# Altium PCB EVK-IRIS-W1.PcbDoc (part 6 of 9) (continued)
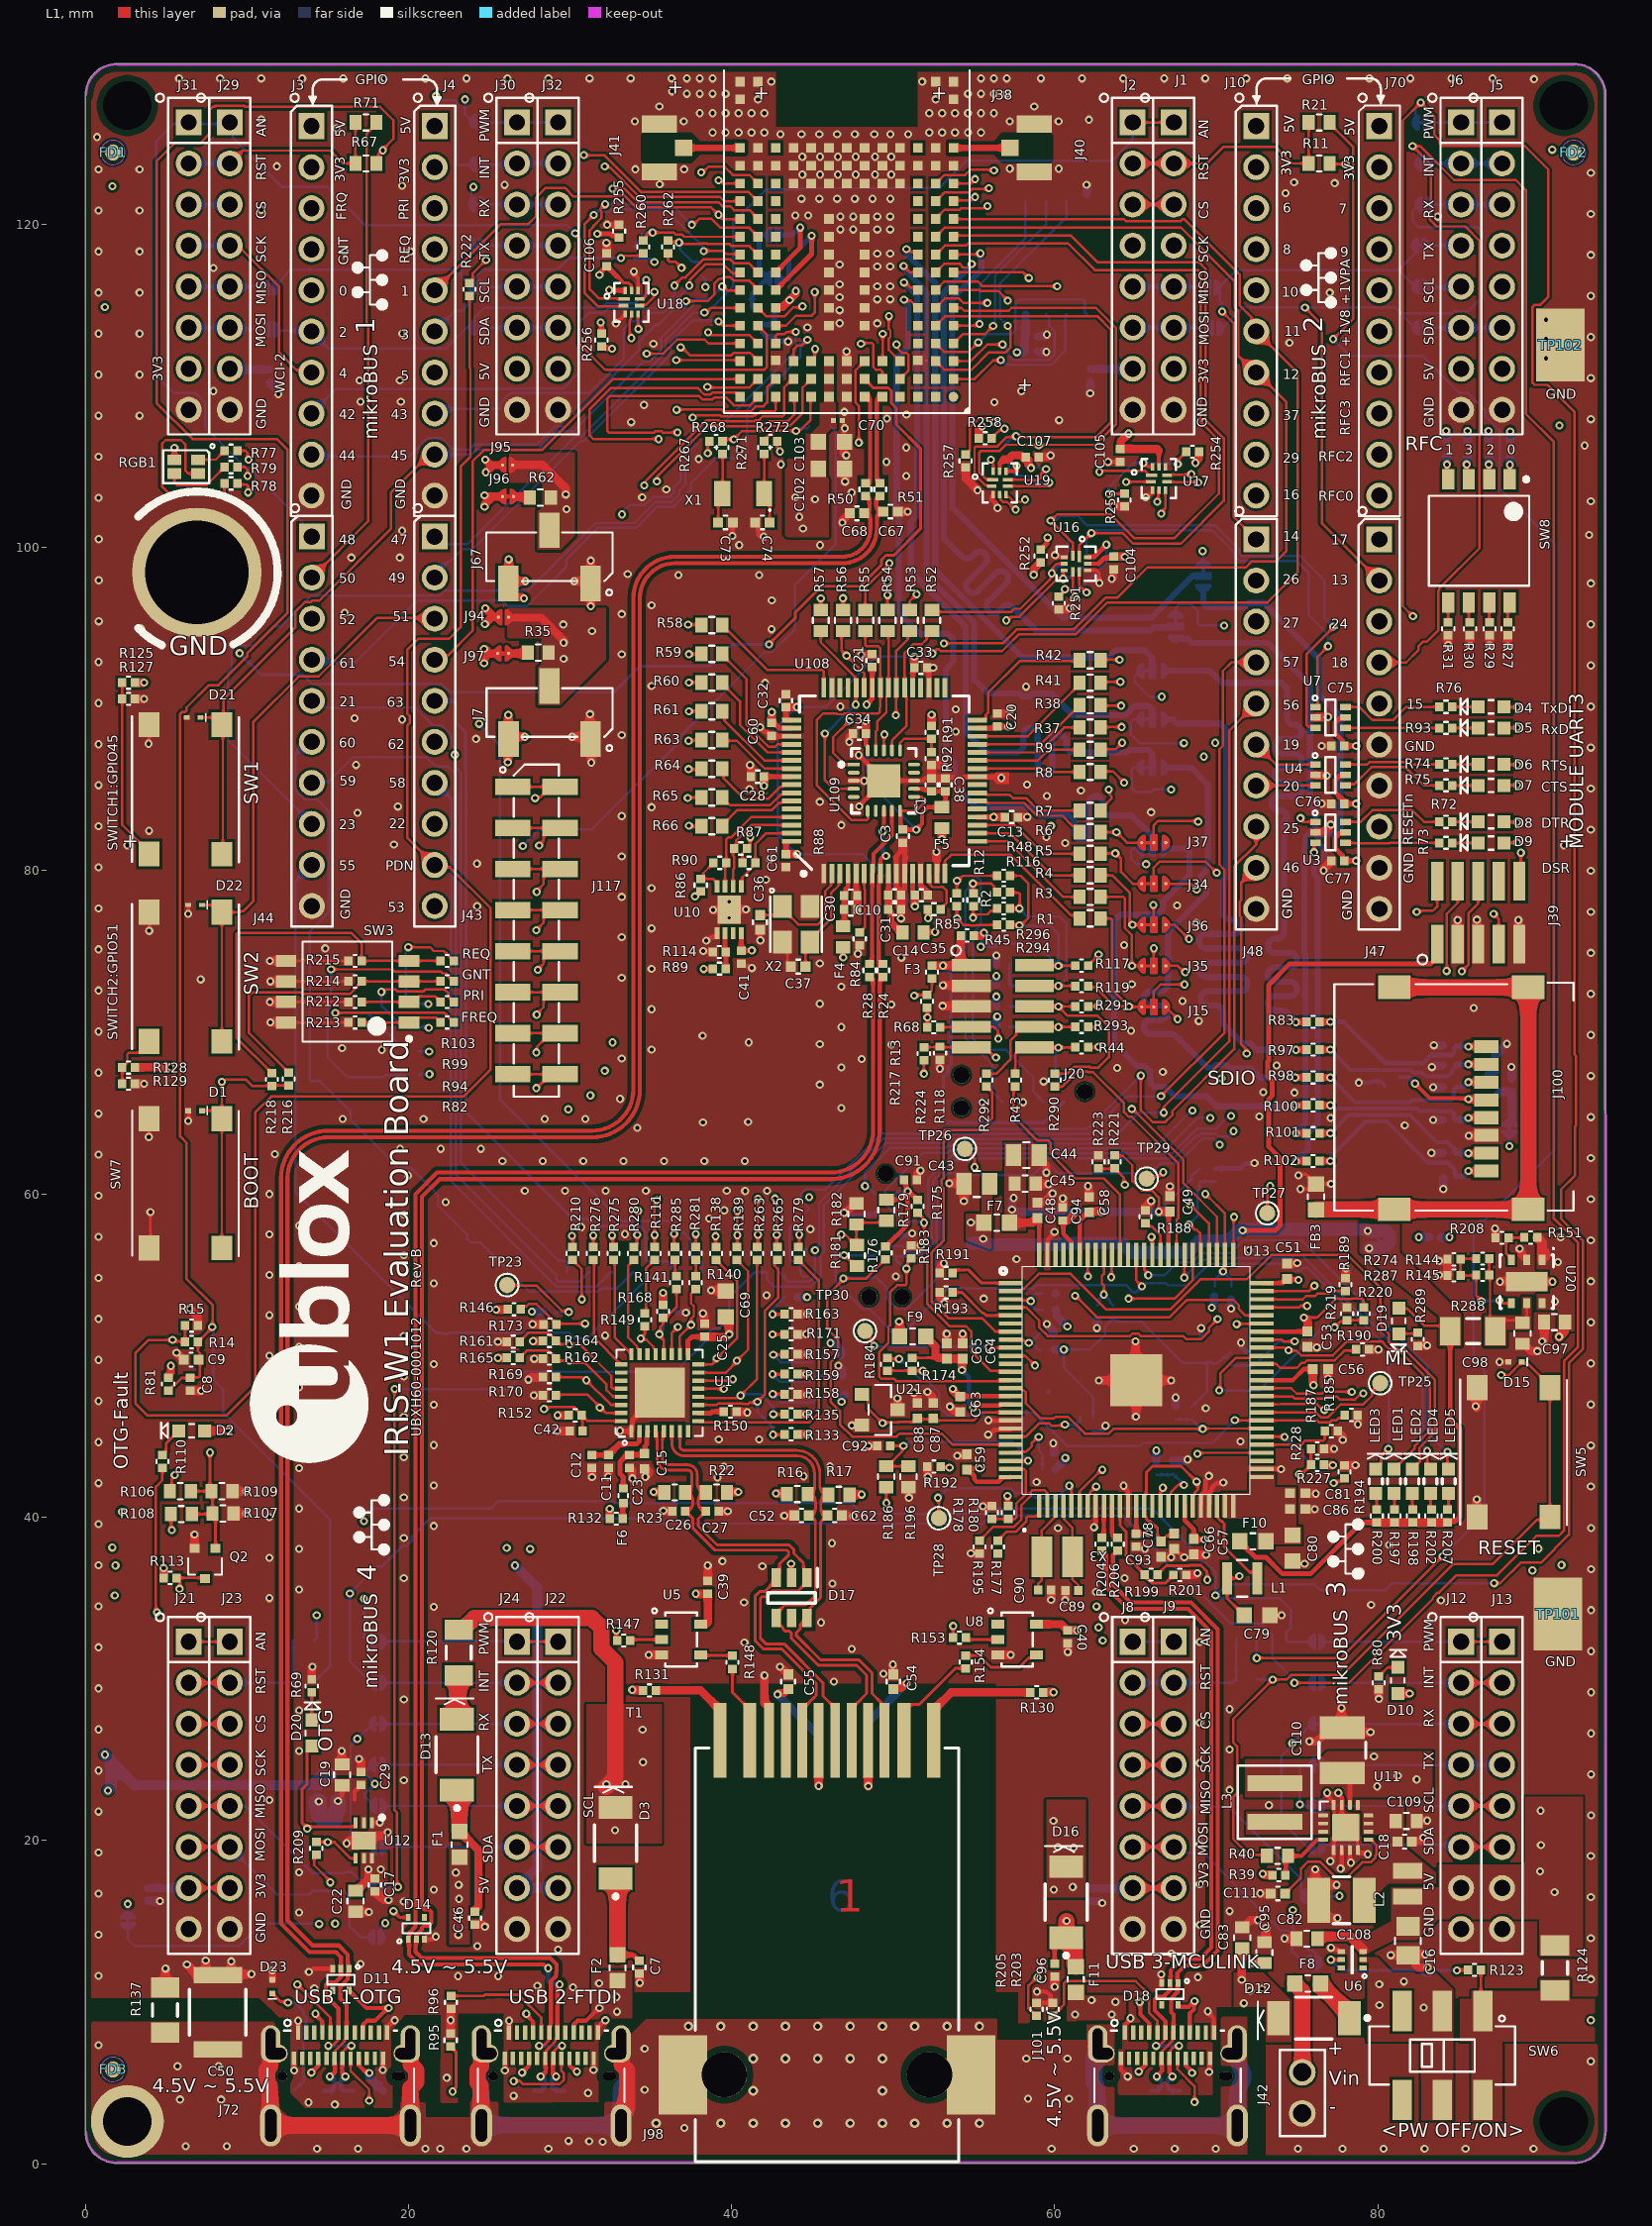
[diagram p0: L1 view]
## Nets (pads, with @x,y where several pads share a name; then routed paths per layer and width w, separated by ;. In a path a pad name is that pad's centre, name@x,y a point inside that pad or via, vN(x,y) a via of type N, cw(c..) or ccw(c..) an arc to the next point about the centre after c; other vN are vias at no path point) (continued)
GPIO20_U3-CTS-CS: J48.7 J59.1 R54.2 U4.3 | length 46.7
  L1 w0.15: R54.2@49.652,96.118 v1(49.652,97.047) ; J48.7@72.465,85.249 72.475,85.259 76.126,85.259 U4.3@76.136,85.268
  L3 w0.15: v1(69.147,99.772) 69.185,99.734 69.185,87.085 v1(69.223,87.047)
  L4 w0.15: v1(49.652,97.047) 49.72,96.978 49.892,96.978 49.918,96.952 50.622,96.952 53.039,94.535 53.334,94.535 53.9,93.969 53.9,93.674 53.9,93.394 56.697,90.597 58.237,90.597 61.2,87.635 61.641,87.635 61.768,87.635 61.907,87.635 62.008,87.534 62.147,87.534 62.551,87.13 67.917,87.13 68.322,87.534 68.736,87.534 v1(69.223,87.047) ; v1@69.223,87.014 70.373,87.014 71.402,85.985 71.876,85.985 72.465,85.396 J48.7@72.465,85.249
  L6 w0.15: v1(49.652,97.047) v1@49.748,97.047 ; v1@69.086,99.695 69.188,99.593 J59.1@69.188,98.972
GPIO20_U3-CTS-CS_SDIO-D1: J38.A9 J59.2 | length 37.6
  L1 w0.15: J38.A9@53.731,118.112 55.225,118.112 55.299,118.186 v1(55.396,118.186)
  L6 w0.378: v1(55.396,118.186) 55.421,118.161 55.421,117.806 55.455,117.771 55.455,117.154 53.658,115.356 53.658,102.499 60.519,95.639 65.955,95.639 68.57,98.254 69.188,98.254 J59.2@69.188,98.222
GPIO21: J38.M2 R210.2 R270.2 | length 76.3
  L1 w0.152: v1(30.121,57.395) 30.121,57.299 30.203,57.217 30.203,56.986 R210.2@30.136,56.92 ; v1(38.505,109.931) 38.556,109.88 41.099,109.88 J38.M2@41.631,110.412
  L3 w0.152: v1(38.505,109.931) 40.504,107.932 41.666,107.932 44.22,105.378 44.22,103.498 44.421,103.298 44.421,102.842 43.714,102.136 43.714,101.198 43.943,100.969 43.943,96.203 44.527,95.618 44.527,60.068 v1(44.804,59.792)
  L4 w0.152: v1(30.121,57.395) 31.188,56.329 34.991,56.329 35.965,57.303 35.965,57.721 36.246,58.003 36.665,58.003 38.175,59.512 40.823,59.512 41.134,59.201 42.867,59.201 43.174,59.508 43.174,59.702 43.263,59.792 v1(44.804,59.792)
  L6 w0.152: R270.2@29.757,56.541 R270.2@29.843,56.454 30.121,56.731 v1(30.121,57.395)
GPIO21_U0-SPI-HD: J44.5 R42.2 R270.1 | length 105.7
  L1 w0.15: R42.2@62.834,93.014 62.866,93.046 v1(64.008,93.046)
  L3 w0.15: v1(59.765,82.753) 60.171,83.16 60.171,89.865 63.27,92.964 63.742,92.964 63.755,92.978 63.94,92.978 v1(64.008,93.046)
  L4 w0.15: v1(22.876,87.164) 25.089,87.164 29.283,91.358 32.963,91.358 36.832,95.227 36.832,95.414 37.113,95.695 37.3,95.695 37.414,95.809 43.966,95.809 46.635,93.14 46.635,93.098 49.643,90.089 50.368,90.089 50.649,89.809 50.649,89.652 55.051,85.25 56.963,85.25 58.418,83.795 58.496,83.795 59.469,82.822 59.696,82.822 v1(59.765,82.753)
  L6 w0.15: J44.5@14.025,90.503 14.418,90.503 14.827,90.094 20.395,90.094 21.5,88.988 22.05,88.988 22.65,88.388 22.65,87.838 22.895,87.593 22.895,86.417 23.25,86.062 23.25,77.13 23.23,77.109 23.23,61.924 29.3,55.854 29.756,55.854 29.843,55.766 R270.1@29.843,55.154
GPIO22: J43.8 R273.1 | length 42.3
  L4 w0.15: J43.8@21.625,82.883 22.99,81.519 v2(27.08,81.519)
  L6 w0.15: v2@27.1,81.534 28.116,82.55 31.367,82.55 36.858,88.04 36.858,88.345 42.03,93.518 42.513,93.518 43.917,94.922 43.917,97.676 46.431,100.19 46.431,101.277 46.382,101.325 46.382,101.722 46.431,101.771 46.431,107.03 46.414,107.047 46.414,107.193 R273.1@46.114,107.493
GPIO22/RMII-RxD0/XTAL32K_IN: J38.J1 R271.2 R272.2 R273.2 | length 5.9
  L1 w0.15: R271.2@42.014,106.57 42.029,106.57 42.214,106.755 42.214,106.823 42.596,107.205 v1(43.989,107.205) 44.058,107.273 44.286,107.273 44.886,107.873 44.886,109.267 J38.J1@44.931,109.312
  L6 w0.15: v1(43.989,107.205) 44.086,107.205 44.248,107.367 44.688,107.367 R273.2@44.814,107.493
GPIO23: J44.8 R269.1 | length 48.7
  L6 w0.15: J44.8@14.025,82.883 8.841,88.067 8.841,92.282 9.07,92.51 9.07,93.645 9.35,93.926 10.485,93.926 11.682,95.123 12.116,95.123 14.004,97.011 21.963,97.011 22.273,97.321 27.397,97.321 31.575,101.498 33.968,101.498 35.271,102.802 36.287,102.802 36.744,103.259 36.744,103.495 37.159,103.91 37.159,105.706 38.083,106.63 R269.1@38.083,106.705
GPIO23/RMII-RxD1XTAL32K_OUT: J38.J2 R267.2 R268.2 R269.2 | length 8.7
  L1 w0.152: R268.2@39.438,106.64 39.478,106.68 v1(40.136,106.68) 40.652,107.195 41.941,107.195 42.103,107.357 42.323,107.357 42.471,107.506 43.611,107.506 44.398,108.292 44.398,109.879 44.707,110.188 J38.J2@44.931,110.412
  L6 w0.152: R269.2@39.383,106.705 39.409,106.68 v1(40.136,106.68)
GPIO24: J38.B9 R134.2 U7.3 U16.2 | length 78.5
  L1 w0.15: J38.B9@52.583,118.037 53.232,118.687 54.535,118.687 54.644,118.796 60.831,118.796 62.474,117.153 68.859,117.153 69.034,116.979 69.034,107.754 70.162,106.626 70.162,103.321 67.399,100.559 64.936,100.559 63.446,102.049 60.169,102.049 59.758,101.637 61.111,100.284 U16.2@61.111,99.485 ; U7.3@76.136,88.824 76.046,88.913 75.677,88.913 75.581,89.01 75.581,93.388 v1@77.265,95.072
  L6 w0.15: v1(59.746,101.649) 60.857,100.538 60.857,99.775 R134.2@60.752,99.67 ; v1@59.778,101.681 60.091,101.681 60.36,101.95 61.41,101.95 62.003,101.357 69.913,101.357 71.44,99.83 71.44,99.596 71.572,99.464 73.359,99.464 73.361,99.466 75.182,99.466 76.681,97.968 76.681,95.656 v1@77.245,95.093
  other v1: 77.24,95.098
GPIO24_FC3-UART-RXD-ML: U13.79 U16.6 | length 55.7
  L1 w0.15: U16.6@61.111,98.485 61.111,97.201 61.263,97.049 v1(61.263,96.952) ; v1(68.375,59.334) 69.541,58.169 U13.79@69.541,56.252
  L3 w0.15: v1(61.263,96.952) 61.265,96.95 61.265,96.576 61.41,96.43 61.41,96.034 61.129,95.753 61.03,95.753 55.65,90.373 55.65,76.716 55.738,76.628 55.823,76.628 56.103,76.348 56.103,75.137 55.907,74.941 55.907,71.474 55.958,71.423 55.958,70.769 56.239,70.489 56.892,70.489 57.002,70.379 57.002,66.219 57.125,66.097 57.125,64.413 60.655,60.882 60.655,60.601 60.936,60.32 61.532,60.32 61.854,59.998 62.479,59.373 63.401,59.373 64.265,58.509 66.15,58.509 66.244,58.415 66.641,58.415 66.735,58.509 67.322,58.509 68.079,59.266 68.307,59.266 v1(68.375,59.334)
GPIO24_U3-RxD-MOSI-SDA-TRX: J47.3 R52.2 R134.1 U16.4 | length 34
  L1 w0.15: R52.2@52.406,96.118 52.521,96.003 57.313,96.003 57.508,96.198 57.875,96.198 59.752,98.075 59.752,98.328 v1(59.814,98.391) ; v1@59.883,98.459 59.883,98.735 60.132,98.985 U16.4@60.586,98.985
  L4 w0.15: v1(59.814,98.391) 59.814,98.356 60.047,98.124 60.047,96.439 60.733,95.753 61.129,95.753 61.238,95.862 61.363,95.862 61.471,95.753 68.107,95.753 68.788,96.434 77.808,96.434 78.833,95.409 J47.3@80.085,95.409
  L6 w0.15: v1(59.814,98.391) 59.814,98.432 60.252,98.87 R134.1@60.752,98.87
GPIO25_U3-CLK: J48.8 R282.1 | length 55.1
  L1 w0.15: v1(65.327,67.31) 65.327,65.169 66.052,64.444 66.847,64.444 67.278,64.875 67.278,65.118 71.105,68.945 71.105,80.259 72.465,81.619 J48.8@72.465,82.709
  L6 w0.15: R282.1@44.271,55.027 44.418,54.879 R282.1@44.662,54.879 ; R282.1@44.271,55.159 44.271,55.759 44.171,55.859 43.727,55.859 43.595,55.991 43.595,57.88 44.754,59.04 44.754,59.164 44.325,59.593 44.325,59.99 44.606,60.271 45.824,60.271 49.288,63.735 52.866,63.735 53.131,64 61.999,64 64.339,66.34 64.357,66.34 v1(65.327,67.31)
GPIO25_U3-CLK_RMII-RFECLK: J38.F3 R279.2 R282.2 | length 58.6
  L1 w0.15: v1(47.877,106.477) 47.877,108.748 47.673,108.952 47.673,110.954 48.006,111.287 48.219,111.5 J38.F3@48.219,111.543
  L1 w0.152: R279.2@44.123,56.713 44.194,56.785 v1(44.194,57.48)
  L3 w0.15: v1(44.194,57.48) 44.194,57.54 44.401,57.747 44.401,58.009 44.682,58.289 45.004,58.289 46.125,59.411 46.125,88.153 46.253,88.282 46.253,88.679 46.125,88.807 46.125,96.755 46.709,97.34 46.709,98.708 48.008,100.007 48.008,106.249 47.877,106.38 v1(47.877,106.477)
  L6 w0.15: R282.2@44.435,56.416 R282.2@44.646,56.627
  L6 w0.152: v1(44.194,57.48) 44.194,56.657 R282.2@44.435,56.416
GPIO26: J38.A10 R136.1 U7.1 U16.1 | length 68
  L1 w0.15: J38.A10@53.731,119.212 53.814,119.295 60.992,119.295 62.645,117.643 68.922,117.643 69.334,117.232 69.334,107.878 70.462,106.75 70.462,102.874 67.813,100.225 64.846,100.225 64.192,100.878 v1(62.26,100.878) 61.511,100.129 U16.1@61.511,99.434 ; U7.1@76.136,90.124 76.141,90.124 76.266,90.249 76.266,93.235 v1(76.91,93.878)
  L6 w0.15: R136.1@61.963,99.499 61.963,100.497 v1@62.26,100.794 ; v1@62.328,100.81 v1(62.26,100.878) 62.347,100.878 62.526,101.057 69.731,101.057 71.14,99.648 71.14,99.472 71.448,99.164 73.483,99.164 73.485,99.166 74.949,99.166 75.717,98.398 75.717,95.807 76.91,94.615 v1(76.91,93.878)
GPIO26-FC3-UART-TXD-ML: U13.70 U16.7 | length 65.6
  L1 w0.15: U16.7@61.511,98.485 61.511,97.644 61.949,97.206 v1(61.974,97.206) ; v1(71.257,51.934) 71.278,51.956 72.794,51.956 U13.70@72.816,51.977
  L3 w0.15: v1(61.974,97.206) 61.974,96.266 61.71,96.002 61.71,95.909 61.254,95.453 61.161,95.453 55.95,90.241 55.95,88.732 57.302,87.379 57.302,67.031 58.188,66.145 58.237,66.145 58.674,65.708 58.674,65.642 59.111,65.205 59.128,65.205 62.782,61.551 62.782,60.739 63.507,60.014 65.737,60.014 65.765,60.042 66.473,60.042 66.527,59.988 68.586,59.988 69.05,59.524 69.05,59.022 68.717,58.689 67.926,58.689 67.447,58.209 66.999,58.209 66.905,58.115 65.714,58.115 65.285,57.685 65.285,56.871 67.821,54.334 69.024,54.334 70.438,52.92 70.438,52.697 71.2,51.934 v1(71.257,51.934) v1@71.257,52.011
GPIO26-U3-TxD-MISO-SCL-WS: J48.2 R53.2 R136.2 U16.5 | length 26.6
  L1 w0.15: R53.2@51.104,96.118 R53.2@51.029,96.118 51.029,96.673 v1(51.45,97.094) ; v1@57.098,95.479 57.322,95.703 57.805,95.703 60.155,98.054 60.519,98.054 v1(60.525,98.06) 60.525,98.545 60.565,98.585 U16.5@60.586,98.585
  L3 w0.15: v1(51.45,97.094) 53.065,95.479 v1(56.994,95.479)
  L4 w0.15: v1(60.525,98.06) 60.966,98.501 63.293,98.501 63.322,98.531 63.719,98.531 63.749,98.501 71.692,98.501 72.244,97.949 J48.2@72.465,97.949
  L6 w0.15: v1(60.525,98.06) 60.594,98.129 60.893,98.129 61.463,98.699 R136.2@61.963,98.699
GPIO27-PWM5: J38.E2 J48.3 J61.1 J88.1 J89.1 J90.1 | length 384.3
  L1 w0.152: v1(48.001,112.588) 48.061,112.648 48.68,112.648 48.769,112.559 48.769,111.154 48.937,110.986 49.232,110.986 49.331,110.887 J38.E2@49.331,110.412 ; v2(82.167,95.733) 81.532,96.368 81.532,126.402 v1(82.644,127.514) 83.482,126.676 83.482,125.531 83.815,125.198 83.815,124.999 83.976,124.837 89.08,124.837 90.549,123.368 90.549,115.494 90.057,115.002 89.699,115.002 89.566,114.869 89.566,110.182 89.699,110.049 90.484,110.049 92.174,108.359 92.174,68.627 92.25,68.55 92.25,64.215 92.2,64.165 92.2,61.142 91.338,60.281 91.338,58.444 92.694,57.088 92.694,50.403 91.816,49.525 91.816,38.909 90.09,37.183 88.84,37.183 87.568,35.911 87.199,35.911 v1(87.195,35.907)
  L3 w0.152: v1@17.251,34.978 v1(17.251,39.742) 15.704,39.742 13.943,41.504 13.943,65.951 7.949,71.945 7.949,75.514 8.122,75.688 8.122,86.254 11.818,89.95 11.818,105.656 10.209,107.264 10.209,119.405 12.809,122.006 13.985,122.006 15.032,123.053 15.032,123.172 19.272,127.412 23.117,127.412 23.414,127.71 v1(23.502,127.71) ; v1@69.95,35.047 v1@69.95,35.128
  L4 w0.152: v1(23.502,127.71) 23.906,127.306 25.399,127.306 25.707,127.614 30.626,127.614 32.866,125.374 37.387,125.374 39.677,123.085 39.677,122.272 43.229,118.72 47.727,118.72 48.537,117.909 48.537,117.852 48.55,117.839 48.55,117.588 48.537,117.575 48.537,113.375 48.457,113.295 48.457,113.044 v1(48.001,112.588) ; J48.3@72.465,95.409 73.492,94.383 81.3,94.383 82.167,95.25 v2(82.167,95.733)
  L6 w0.152: v1@17.251,34.995 17.251,32.542 17.496,32.297 17.646,32.297 17.811,32.297 J90.1@17.82,32.288 ; v1(17.251,39.742) 17.252,40.12 17.67,40.538 25.094,40.538 25.548,40.993 32.659,40.993 32.786,40.866 47.427,40.866 48.108,40.185 55.747,40.185 56.1,40.538 66.013,40.538 68.886,37.666 68.886,37.469 69.167,37.188 69.363,37.188 69.948,36.603 v1(69.948,35.145) 70.044,35.145 70.213,34.976 73.912,34.976 74.609,34.279 74.609,33.166 74.344,32.901 74.344,32.377 74.433,32.288 J61.1@75.919,32.288 ; v1(23.502,127.71) 23.502,126.798 23.847,126.453 23.906,126.394 ; v1@69.996,35.193 70.642,35.839 76.072,35.839 76.453,35.458 80.431,35.458 80.888,35.916 v1@87.171,35.916 ; J88.1@82.336,126.267 82.336,126.62 82.336,127.14 82.644,127.448 v1(82.644,127.514)
  other v1: 17.251,34.949
GPIO29_QSPI-FDQS: J10.9 J38.D2 | length 29.6
  L1 w0.15: v1(50.214,112.547) 50.283,112.479 50.283,112.293 50.538,112.037 50.824,112.037 50.956,111.905 50.956,110.937 J38.D2@50.431,110.412
  L4 w0.15: v1(50.214,112.547) 50.283,112.479 50.531,112.479 50.618,112.391 50.768,112.391 52.732,114.356 55.483,114.356 55.655,114.184 59.043,114.184 59.59,113.636 59.709,113.636 59.99,113.355 59.99,113.237 63.693,109.533 67.79,109.533 70.403,106.92 71.068,106.92 72.248,105.739 J10.9@72.465,105.739
GPIO42_UCX-RGB-B: J3.8 J38.M8 R79.1 | length 41
  L1 w0.15: R79.1@9.419,104.965 9.887,104.965 10.056,104.796 v1(10.056,104.405)
  L1 w0.152: v1(36.471,116.196) 36.471,116.222 36.945,116.696 37.144,116.696 38.278,117.831 39.893,117.831 40.138,117.586 41.057,117.586 J38.M8@41.631,117.012
  L4 w0.15: v1(10.056,104.405) 10.086,104.434 10.086,104.753 10.276,104.943 10.306,104.943 10.586,105.224 10.586,105.406 13.182,108.002 13.728,108.002 J3.8@14.005,108.279
  L6 w0.15: J3.8@14.005,108.279 15.52,109.794 26.138,109.794 26.177,109.833 29.599,109.833 30.535,110.769 30.535,113.868 31.188,114.52 32.106,114.52 32.386,114.801 35.641,114.801 36.471,115.63 v1(36.471,116.196)
GPIO43-UCX-RGB-G: J4.8 J38.N8 R78.1 | length 39.2
  L1 w0.15: R78.1@9.419,103.949 9.481,103.886 9.997,103.886 10.085,103.798 v1(10.086,103.39) ; v1(37.385,116.197) 37.416,116.228 37.416,116.543 38.374,117.5 39.498,117.5 39.98,117.018 40.031,117.018 40.094,116.955 40.474,116.955 J38.N8@40.531,117.012
  L4 w0.15: v1(10.086,103.39) 10.182,103.39 10.311,103.518 10.335,103.518 13.581,106.764 15.374,106.764 15.781,107.172 20.518,107.172 J4.8@21.625,108.279
  L6 w0.15: J4.8@21.625,108.279 21.903,108.557 25.613,108.557 25.7,108.645 25.7,108.933 26.301,109.533 31.179,109.533 33.327,111.681 33.327,113.516 33.794,113.983 34.455,113.983 34.972,114.501 35.766,114.501 37.385,116.12 v1(37.385,116.197)
GPIO44-UCX-RGB-R: J3.9 J38.M7 R77.1 | length 43.9
  L1 w0.15: R77.1@9.419,105.981 9.904,105.981 10.039,105.846 10.039,105.491 v1(10.107,105.422)
  L1 w0.152: v1(37.182,115.231) 38.524,115.231 38.945,115.652 38.945,116.331 39.226,116.613 39.397,116.613 39.501,116.717 39.906,116.717 40.137,116.486 41.104,116.486 41.407,116.183 41.407,116.136 J38.M7@41.631,115.912
  L4 w0.152: v1(10.107,105.422) 9.345,104.66 9.345,103.074 9.509,102.91 10.935,102.91 13.764,105.739 J3.9@14.005,105.739
  L6 w0.152: J3.9@14.005,105.739 14.118,105.627 20.061,105.627 21.2,106.766 22.05,106.766 22.775,106.041 23.762,106.041 24.084,106.363 27.933,106.363 29.052,107.482 29.69,107.482 30.292,108.083 30.292,108.22 34.263,112.191 34.263,112.723 35.301,113.761 35.452,113.761 36.489,114.798 37.059,114.798 37.148,114.887 37.148,115.198 v1(37.182,115.231)
GPIO45_UCX-SW1: D21.1 J4.9 J38.N7 SW1.1 SW1.2 | length 57.2
  L1 w0.15: D21.1@7.121,89.472 7.91,89.472 8.355,89.027 8.405,88.976 8.518,88.863 8.518,81.19 SW1.2@8.405,81.077 ; SW1.2@8.456,81.027 8.456,80.927 SW1.2@9.031,80.352 ; SW1.1@8.456,89.027 8.556,89.127 8.556,90.598 13,95.042 13,96.008 13.601,96.608 13.955,96.608 14.044,96.697 14.48,96.697 18.934,101.152 18.934,103.391 21.283,105.739 J4.9@21.625,105.739 ; v1(39.425,116.132) 39.489,116.132 39.743,115.878 40.497,115.878 J38.N7@40.531,115.912
  L6 w0.15: J4.9@21.625,105.739 23.887,105.739 24.209,106.062 28.058,106.062 29.176,107.181 30.225,107.181 34.545,111.501 34.942,111.501 35.643,112.202 35.643,112.796 35.625,112.813 35.625,112.938 37.661,114.974 37.661,115.228 37.842,115.409 38.702,115.409 v1(39.425,116.132)
GPIO46: J8.1 J9.1 J38.M6 J48.9 | length 166.3
  L1 w0.152: J38.M6@41.631,114.812 J38.M6@41.855,114.588 ; J38.M6@41.855,114.588 42.157,114.286 43.262,114.286 43.807,114.831 44.309,114.831 v1(44.386,114.908) ; v1@71.931,68.859 71.55,69.24 71.55,77.093 71.439,77.204 71.439,78.054 71.55,78.166 71.55,79.254 J48.9@72.465,80.169
  L3 w0.152: v1(44.386,114.908) 46.61,112.684 46.61,110.029 50.087,106.552 50.087,102.343 50.825,101.605 50.825,90.507 51.941,89.391 51.941,81.22 53.468,79.694 53.468,75.848 53.721,75.595 53.721,70.435 48.69,65.405 48.69,61.588 48.364,61.262 48.364,61.047 48.275,60.958 48.059,60.958 47.7,60.598 47.7,59.193 47.743,59.15 47.743,55.887 47.7,55.843 47.7,53.405 48.337,52.768 48.337,50.398 48.364,50.371 48.364,47.501 53.034,42.831 53.034,41.616 53.252,41.398 53.252,41 53.034,40.782 53.034,38.049 54.1,36.982 59.284,36.982 62.613,33.653 62.91,33.653 63.191,33.371 63.191,32.895 63.734,32.353 64.761,32.353 J8.1@64.825,32.288 64.825,32.353 64.825,33.585 68.246,37.005 69.559,37.005 70.697,35.867 71.622,35.867 75.767,40.012 75.893,40.012 75.898,40.007 76.296,40.007 76.628,40.339 76.628,46.008 76.201,46.435 76.201,47.177 77.39,48.366 77.39,48.764 76.704,49.45 76.704,50.694 76.628,50.77 76.628,57.965 72.843,61.75 72.843,62.099 72.562,62.38 72.213,62.38 71.88,62.713 v1(71.88,68.682)
  L6 w0.15: J8.1@64.825,32.288 J9.1@67.365,32.288
GPIO47: J1.1 J2.1 J38.N6 J43.1 | length 62.5
  L1 w0.152: v1(38.325,114.52) 38.421,114.52 38.713,114.812 J38.N6@40.531,114.812 ; J2.1@64.825,126.288 J1.1@67.365,126.288
  L6 w0.152: J43.1@21.625,100.663 22.093,100.196 23.645,100.196 30.329,106.879 30.746,106.879 35.944,112.077 35.944,112.83 36.112,112.999 37.633,114.52 v1(38.325,114.52) ; v1@38.305,114.5 38.368,114.563 38.535,114.563 39.624,115.652 40.111,116.139 40.111,120.116 42.135,122.14 44.23,122.14 44.306,122.216 48.706,122.216 48.711,122.222 52.841,122.222 54.524,123.905 63.531,123.905 64.825,125.199 J2.1@64.825,126.288
GPIO48: J29.1 J31.1 J38.M5 J44.1 | length 81.2
  L1 w0.152: v1(30.326,119.431) 30.326,119.335 30.613,119.048 30.613,112.555 32.182,110.986 42.025,110.986 ; J38.M5@41.631,113.712 42.188,113.155 42.188,111.149 42.025,110.986
  L6 w0.15: J44.1@14.025,100.663 13.435,101.254 13.435,101.6 10.535,104.5 10.535,104.603 10.225,104.914 9.938,104.914 7.43,107.421 7.43,108.933 6.83,109.533 5.502,109.533 4.406,110.629 4.406,125.126 5.468,126.189 6.306,126.189 J31.1@6.405,126.288 6.508,126.186 8.843,126.186 J29.1@8.945,126.288 9.121,126.113 9.121,125.351 12.171,122.3 14.978,122.3 17.351,119.927 29.83,119.927 v1(30.326,119.431)
GPIO49: J21.1 J23.1 J38.N5 J43.2 | length 109.4
  L1 w0.152: J21.1@6.405,32.288 J23.1@8.945,32.288 ; v1(39.193,113.976) 39.228,113.976 39.492,113.712 J38.N5@40.531,113.712
  L3 w0.152: J23.1@8.945,32.288 16.589,32.288 19.355,35.054 19.355,35.906 19.244,36.016 19.244,46.411 19.63,46.796 19.63,48.13 19.017,48.744 19.017,62.979 19.355,63.318 19.355,72.417 20.522,73.584 20.522,78.15 21.2,78.829 22.515,78.829 22.652,78.966 22.652,85.848 22.05,86.449 21.833,86.449 21.346,86.937 21.2,86.937 20.599,87.538 20.599,87.684 19.137,89.145 19.137,89.543 19.226,89.632 19.226,96.672 20.309,97.756 20.866,97.756 21.234,98.123 J43.2@21.625,98.123
  L6 w0.152: J43.2@21.625,98.123 21.625,98.332 22.384,99.091 22.541,99.091 23.343,99.893 23.978,99.893 30.661,106.577 30.872,106.577 36.246,111.952 36.246,112.705 36.414,112.873 37.585,114.044 38.122,114.044 38.126,114.04 38.524,114.04 38.528,114.044 39.125,114.044 v1(39.193,113.976)
GPIO50_Mikro-Reset: J38.M4 J44.2 R19.1 R21.1 R70.1 R71.1 | length 327
  L1 w0.152: J44.2@14.025,98.123 17.509,101.606 17.509,113.763 17.424,113.847 17.424,125.612 18.025,126.213 R71.1@18.025,126.288 ; v2@38.606,113.284 38.752,113.138 41.105,113.138 J38.M4@41.631,112.612 ; v1(72.497,31.278) 77.708,31.278 v1(83.996,37.567) ; R21.1@77.015,126.288 77.015,126.213 78.481,124.748 78.481,114.138 v1(77.223,112.88)
  L3 w0.152: J44.2@14.025,98.123 14.025,97.034 16.195,94.864 16.195,77.509 16.432,77.272 16.432,76.902 16.558,76.776 16.558,41.114 18.058,39.615 18.058,34.184 17.808,33.934 v2@14.349,33.934
  L4 w0.152: J44.2@14.025,98.123 20.128,104.226 24.521,104.226 24.588,104.159 26.865,104.159 34.206,111.5 34.943,111.5 35.644,112.201 35.644,112.938 36.007,113.301 v2(38.554,113.301) ; v2(14.322,33.926) 14.344,33.926 14.589,33.68 26.618,33.68 28.362,35.425 28.362,41.324 28.872,41.834 34.778,41.834 34.978,42.035 37.52,42.035 37.595,41.96 39.321,41.96 39.395,42.035 48.087,42.035 48.288,41.834 51.027,41.834 52.729,40.132 60.933,40.132 62,39.065 62,31.701 62.662,31.039 72.161,31.039 72.401,31.278 v1(72.497,31.278)
  L6 w0.152: R19.1@14.161,32.36 14.322,32.52 v2(14.322,33.926) ; v1(72.497,31.278) 72.497,32.453 R70.1@72.53,32.487 ; v1@77.24,112.878 78.272,111.845 82.744,111.845 85.055,109.534 85.57,109.534 86.659,108.445 86.659,108.083 87.528,107.214 87.528,103.657 90.905,100.281 90.905,62.687 86.562,58.344 86.397,58.344 85.927,57.874 85.927,49.727 86.602,49.051 86.602,40.904 86.308,40.609 86.308,39.878 v1(83.996,37.567)
GPIO51-UCX-SW2: D22.1 J38.N4 J43.3 SW2.1 SW2.2 | length 85.8
  L1 w0.15: D22.1@7.222,77.868 8.011,77.868 SW2.1@8.456,77.423 ; SW2.1@8.266,77.164 SW2.1@8.306,77.204 ; SW2.2@8.456,69.423 SW2.1@8.456,77.423 ; J43.3@21.625,95.583 21.584,95.624 18.056,95.624 14.45,92.018 13.226,92.018 10.408,89.2 10.408,78.118 9.768,77.479 9.636,77.479 9.58,77.423 SW2.1@8.456,77.423 ; v1(34.744,111.98) 35.764,111.98 36.636,112.852 38.325,112.852 38.565,112.612 J38.N4@40.531,112.612
  L4 w0.15: J43.3@21.625,95.583 20.505,94.463 13.664,94.463 13,95.126 13,101.556 13.619,102.174 14.43,102.174 17.386,105.131 20.785,105.131 21.201,104.714 23.372,104.714 24.563,105.906 24.96,105.906 25.735,105.131 26.999,105.131 29.351,107.483 29.733,107.483 34.23,111.98 v1(34.744,111.98)
GPIO52-UCX-SW3: J38.M3 J44.3 | length 35.4
  L1 w0.152: v1(36.854,112.37) 36.934,112.37 37.42,111.883 39.983,111.883 40.138,112.038 41.141,112.038 41.407,111.772 41.407,111.736 J38.M3@41.631,111.512
  L4 w0.152: J44.3@14.025,95.583 16.202,97.759 16.202,98.291 19.891,101.981 24.56,101.981 24.605,102.026 24.91,102.026 26.741,103.857 26.991,103.857 34.331,111.197 35.068,111.197 36.24,112.37 v1(36.854,112.37)
GPIO53_U14-CTS-CS: J21.3 J23.3 J38.N3 J43.10 | length 110.7
  L1 w0.15: v1(36.574,111.582) 40.461,111.582 J38.N3@40.531,111.512
  L1 w0.152: J21.3@6.405,27.208 J23.3@8.945,27.208
  L3 w0.15: J23.3@8.945,27.208 13.643,27.208 23.214,36.779 23.214,76.214 J43.10@21.625,77.803
  L4 w0.15: J23.3@8.945,27.208 J23.3@9.223,27.485 ; J43.10@21.625,77.803 21.625,78.893 20.097,80.422 20.097,89.543 19.58,90.059 19.58,92.784 21.354,94.558 23.365,94.558 24.56,95.753 24.96,95.753 26.001,96.794 26.001,97.342 26.999,98.34 26.999,103.429 34.466,110.896 35.193,110.896 35.879,111.582 v1(36.574,111.582)
GPIO54_U14-CLK: J21.4 J23.4 J38.N2 J43.4 | length 113.8
  L1 w0.15: J21.4@6.405,24.668 J23.4@8.945,24.668 ; J43.4@21.625,93.043 21.903,93.32 22.459,93.32 23.974,94.835 23.974,105.317 24.668,106.011 28.261,106.011 32.662,110.412 J38.N2@40.531,110.412
  L3 w0.15: J23.4@8.945,24.668 13.186,24.668 24.921,36.403 24.921,62.538 24.968,62.585 24.968,62.979 24.921,63.026 24.921,89.748 J43.4@21.625,93.043
  L4 w0.15: J23.4@8.945,24.668 J23.4@9.053,24.668
GPIO55_U14-RTS: J44.9 R115.1 | length 48.5
  L6 w0.15: J44.9@14.025,80.343 13,79.318 13,60.125 21.707,51.418 22.025,51.418 22.094,51.35 22.487,51.35 22.555,51.418 29.921,51.418 30.26,51.079 31.087,51.079 34.866,54.859 35.081,54.859 R115.1@35.381,55.159
GPIO55_U14-RTS_RMII-INT: J38.L4 R111.2 R115.2 | length 67.6
  L1 w0.152: R111.2@35.151,56.721 35.118,56.754 35.236,56.754 v1(35.236,57.452) 35.236,59.366 35.379,59.509 v1(35.379,59.605) ; J38.L4@42.731,112.612 42.731,113.087 42.83,113.186 43.272,113.186 43.413,113.327 43.965,113.327 v1(43.972,113.334)
  L3 w0.15: v1(33.222,102.032) 33.222,99.983 34.136,99.069 34.136,98.239 33.78,97.884 33.78,64.368 33.687,64.275 33.687,63.881 33.78,63.788 33.78,63.399 35.447,61.732 35.447,59.74 v1@35.48,59.707
  L3 w0.152: v1(35.379,59.605) v1@35.48,59.707
  L6 w0.15: v1(33.222,102.032) 33.222,102.129 33.35,102.257 33.35,102.28 33.689,102.62 34.665,102.62 35.147,103.102 36.163,103.102 36.444,103.383 36.444,103.703 36.859,104.118 36.859,105.83 37.483,106.455 37.483,107.249 37.615,107.38 39.199,107.38 43.976,112.157 43.976,112.93 43.961,112.945 43.961,113.323 v1(43.972,113.334)
  L6 w0.152: v1(35.236,57.452) 35.236,56.604 R115.2@35.381,56.459
GPIO56_U14-TxD-MISO-SCL-WS: J17.1 J48.5 J74.1 J75.1 R264.1 | length 129.3
  L1 w0.15: v1(19.15,47.93) 19.15,21.869 19.303,21.716 19.303,17.17 v1(19.353,17.12) ; v1(66.75,65.024) 66.759,65.033 66.759,65.392 70.805,69.439 70.805,88.669 J48.5@72.465,90.329
  L3 w0.15: v1(17.931,23.495) 17.931,21.477 17.651,21.197 17.651,19.609 18.871,18.39 18.871,17.602 v1(19.353,17.12)
  L6 w0.15: 17.671,22.281 17.821,22.13 J75.1@17.835,22.13 ; 17.697,22.308 17.283,22.723 17.283,22.847 v1(17.931,23.495) 17.313,24.113 17.313,24.237 J17.1@17.77,24.693 ; J74.1@18.435,17.048 18.609,17.048 18.885,17.048 18.888,17.051 19.285,17.051 v1(19.353,17.12) ; v1(19.15,47.93) 19.175,47.904 26.15,47.904 27.23,48.984 36.511,48.984 38.559,51.032 38.559,51.379 38.84,51.66 39.187,51.66 39.861,52.334 39.861,53.599 41.421,55.159 R264.1@41.496,55.159 42.111,55.159 42.199,55.071 42.199,54.69 42.63,54.259 44.938,54.259 45.51,54.831 45.51,56.188 45.714,56.392 45.714,56.658 45.714,59.312 49.537,63.135 53.114,63.135 53.379,63.4 63.593,63.4 65.217,65.024 v1(66.75,65.024)
GPIO56_U14-TxD-MISO-SCL-WS_RMII-MDC: J38.L2 R263.2 R264.2 | length 62.9
  L1 w0.15: v1(36.6,108.509) 36.617,108.526 39.383,108.526 39.51,108.399 41.18,108.399 41.491,108.71 41.947,108.71 42.206,108.969 42.206,109.887 J38.L2@42.731,110.412
  L1 w0.152: R263.2@41.583,56.713 41.627,56.757 v1(41.627,57.476) v1(41.627,59.681) ; R263.2@41.67,56.919 R263.2@41.67,56.932
  L3 w0.15: v1(36.6,108.509) 36.531,108.44 36.531,108.25 36.524,108.242 36.524,107.906 37.157,107.273 37.157,100.743 40.16,97.739 40.16,79.208 40.382,78.985 40.382,73.778
  L3 w0.152: 40.382,73.778 40.382,62.274 40.34,62.232 40.34,61.838 40.382,61.795 40.382,60.926 40.656,60.653 41.041,60.653 41.322,60.372 41.322,59.987 v1(41.627,59.681)
  L6 w0.152: R264.2@41.496,56.459 41.627,56.589 v1(41.627,57.476)
GPIO57_U14-RxD-MOSI-SDA-TRX: J19.1 J48.4 J77.1 J78.1 R266.1 | length 136
  L1 w0.15: v1(66.572,66.04) 70.505,69.973 70.505,80.056 70.19,80.371 70.19,87.497 70.405,87.712 70.405,92.352 70.941,92.888 72.437,92.888 J48.4@72.451,92.902
  L3 w0.15: v1(18.564,14.882) 18.564,15.572 15.594,18.542 15.594,21.696 16.352,22.455 16.352,25.791 v1(16.841,26.28) 16.928,26.28 17.223,25.984 20.064,25.984 25.221,31.14 25.221,35.839 25.576,36.195 25.576,41.023 29.711,45.157 29.711,49.254 29.489,49.475 29.489,49.872 29.77,50.153 30.214,50.153 33.082,53.021 36.88,53.021 37.047,53.188 38.892,53.188 39.059,53.021 43.012,53.021 45.593,55.602 45.593,56.081 v2(45.16,56.515)
  L6 w0.15: 17.677,19.746 J78.1@17.835,19.588 ; 17.697,19.766 16.95,19.766 16.423,20.293 16.423,25.861 v1(16.841,26.28) J19.1@17.77,27.208 ; J77.1@18.337,13.995 18.337,14.349 18.337,14.656 v1(18.564,14.882) v1@18.566,14.884 ; R266.1@42.874,55.159 42.949,55.159 43.549,54.559 44.814,54.559 45.16,54.904 v2@45.16,56.528 ; R266.1@42.874,55.459 R266.1@42.899,55.433 ; v2(45.16,56.515) v2@45.16,56.528 ; v1(66.572,66.04) 64.464,66.04 62.123,63.7 53.255,63.7 52.99,63.435 49.412,63.435 45.414,59.436 45.414,56.782 v2@45.16,56.528